# KiCad board ZX-Spectrum-Keyboard.kicad_pcb
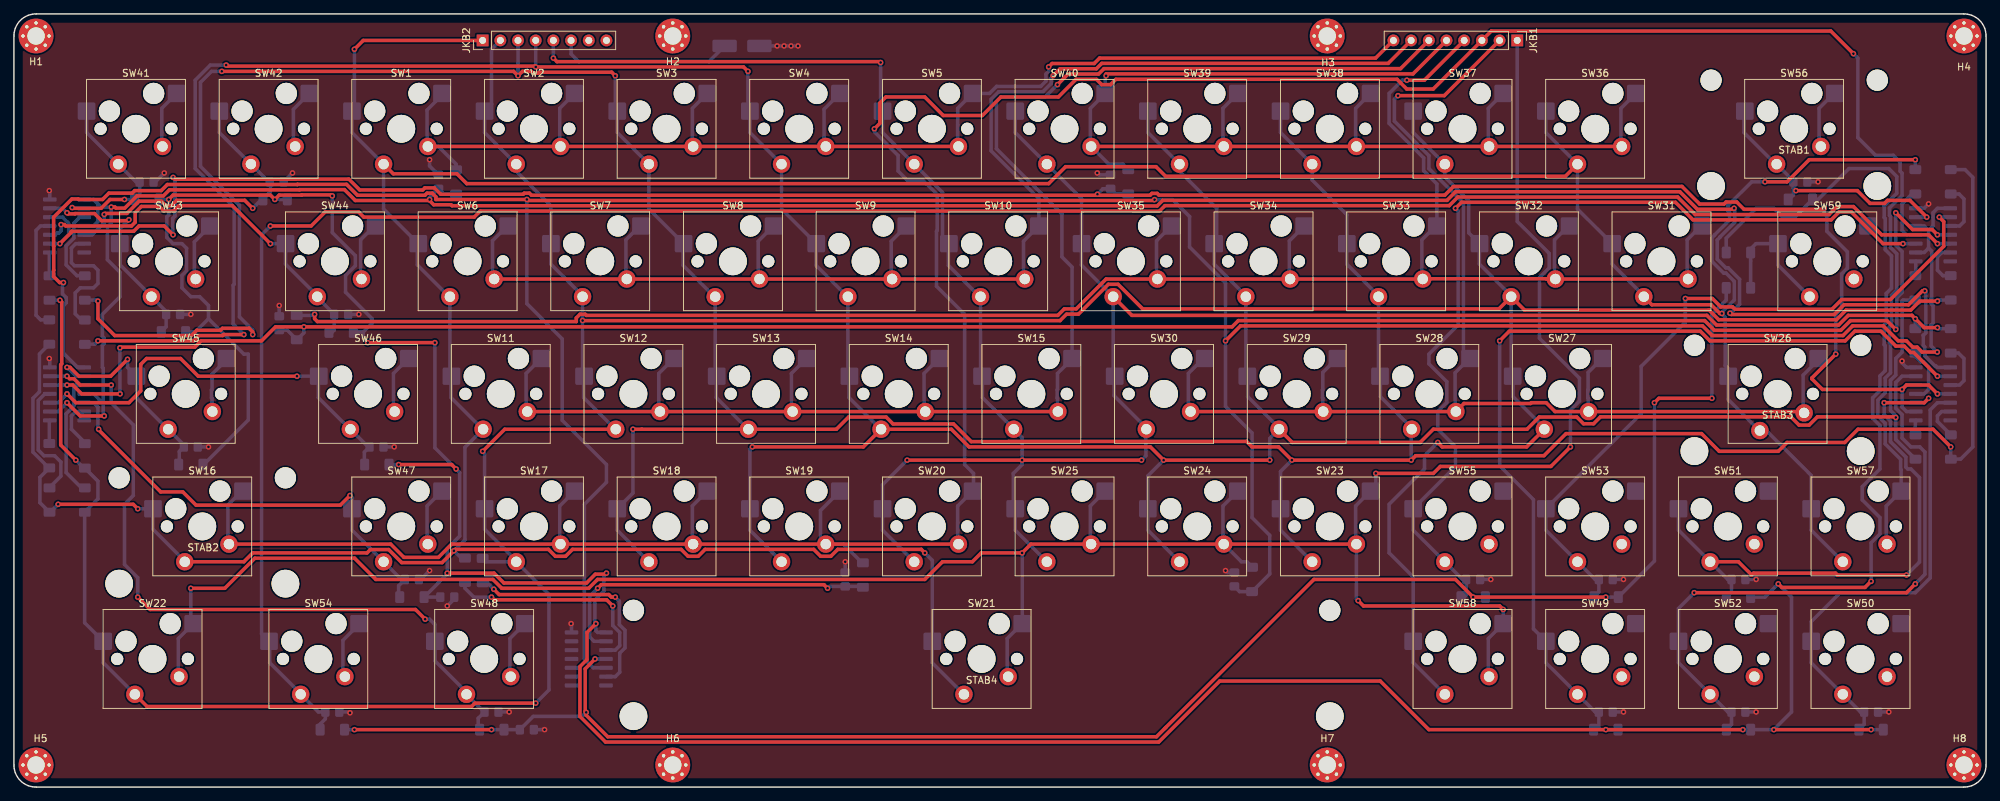
[diagram p0: board, top side]
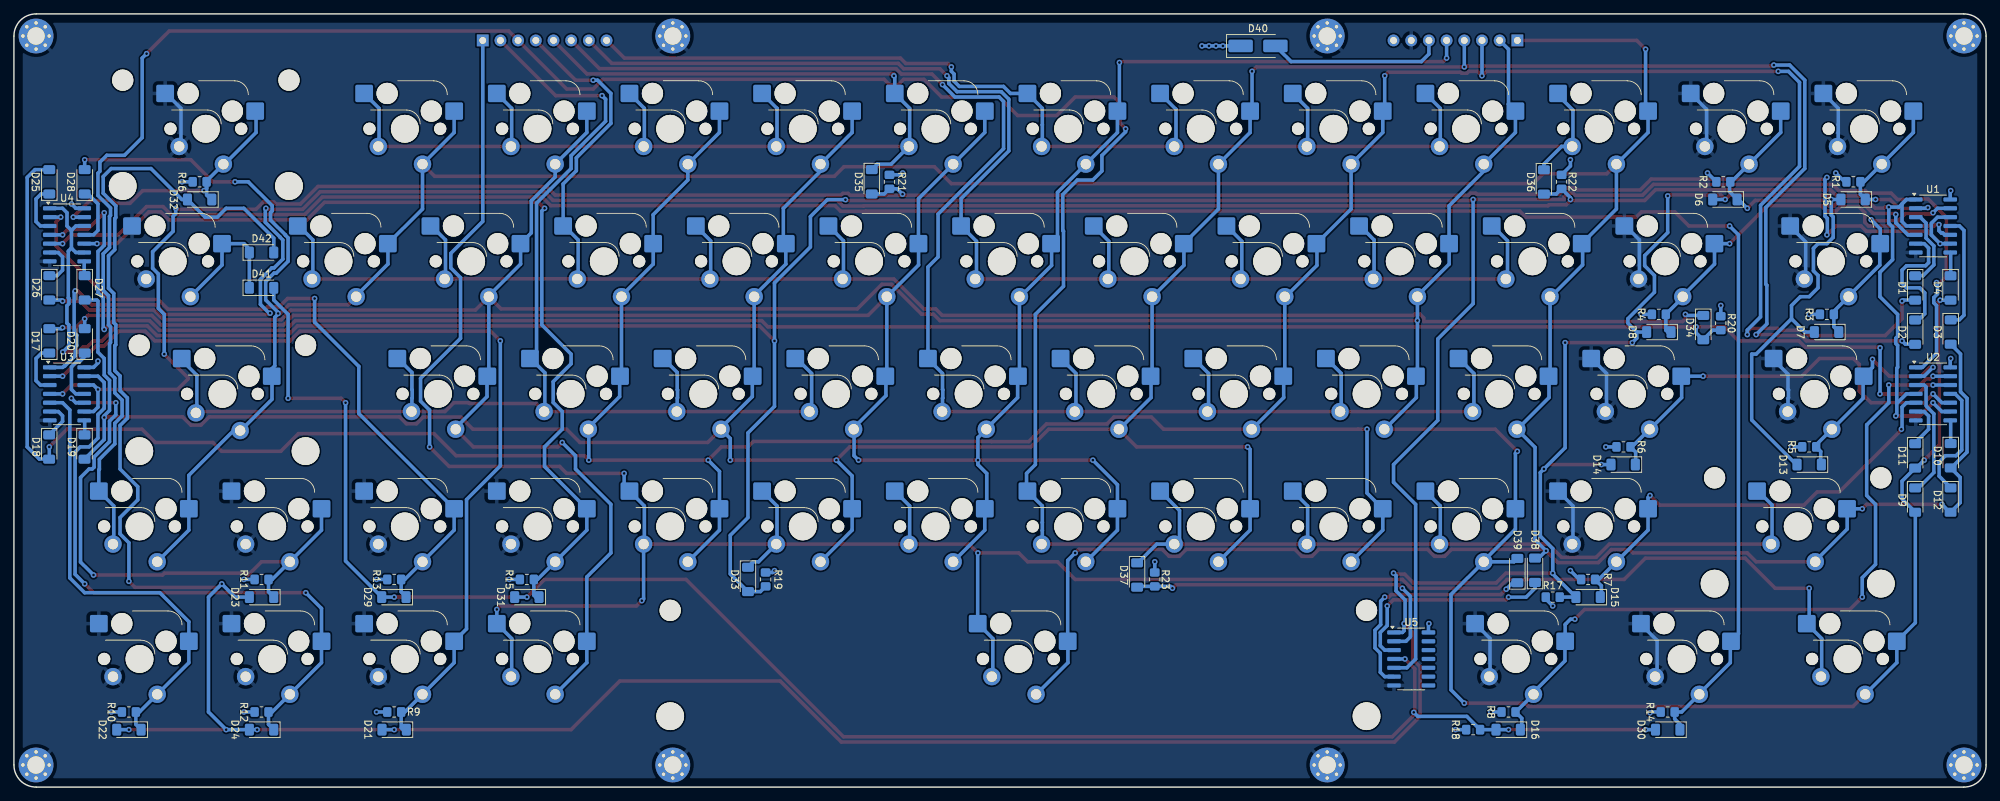
[diagram p1: board, bottom side, seen from below]

Outline 283.21 x 111.12 mm; copper layers: Top, Bottom. Coordinates in mm from the lower left corner of the outline.
Outline path: 0,107.95 arc(0.93,110.2) 3.18,111.12 280.04,111.12 arc(282.28,110.2) 283.21,107.95 283.21,3.18 arc(282.28,0.93) 280.04,0 3.18,0 arc(0.93,0.93) 0,3.18 0,107.95
Stack: Top 0.035mm / dielectric 1.51mm FR4 er 4.5 / Bottom 0.035mm

## Placement (name value [footprint] x y rotation side)
D1  1N4148  [D_MiniMELF]  10.18 71.73 270 bottom
D2  1N4148  [D_MiniMELF]  10.18 65.38 270 bottom
D3  1N4148  [D_MiniMELF]  5.08 65.41 270 bottom
D4  1N4148  [D_MiniMELF]  5.1 71.73 270 bottom
D5  1N4148  [D_MiniMELF]  19.09 84.46 0 bottom
D6  1N4148  [D_MiniMELF]  37.51 84.46 0 bottom
D7  1N4148  [D_MiniMELF]  22.91 65.41 0 bottom
D8  1N4148  [D_MiniMELF]  46.99 65.41 0 bottom
D9  1N4148  [D_MiniMELF]  10.18 41.25 270 bottom
D10  1N4148  [D_MiniMELF]  5.08 47.62 270 bottom
D11  1N4148  [D_MiniMELF]  10.18 47.6 270 bottom
D12  1N4148  [D_MiniMELF]  5.1 41.25 270 bottom
D13  1N4148  [D_MiniMELF]  25.4 46.36 0 bottom
D14  1N4148  [D_MiniMELF]  52.12 46.36 0 bottom
D15  1N4148  [D_MiniMELF]  57.15 27.31 0 bottom
D16  1N4148  [D_MiniMELF]  68.62 8.25 0 bottom
D17  1N4148  [D_MiniMELF]  278.13 64.14 90 bottom
D18  1N4148  [D_MiniMELF]  278.15 48.87 270 bottom
D19  1N4148  [D_MiniMELF]  273.07 48.87 270 bottom
D20  1N4148  [D_MiniMELF]  273.05 64.14 90 bottom
D21  1N4148  [D_MiniMELF]  228.6 8.25 0 bottom
D22  1N4148  [D_MiniMELF]  266.7 8.25 0 bottom
D23  1N4148  [D_MiniMELF]  247.65 27.31 0 bottom
D24  1N4148  [D_MiniMELF]  247.65 8.25 0 bottom
D25  1N4148  [D_MiniMELF]  278.13 87 90 bottom
D26  1N4148  [D_MiniMELF]  278.13 71.76 270 bottom
D27  1N4148  [D_MiniMELF]  273.05 71.76 270 bottom
D28  1N4148  [D_MiniMELF]  273.05 87 90 bottom
D29  1N4148  [D_MiniMELF]  228.64 27.31 0 bottom
D30  1N4148  [D_MiniMELF]  45.72 8.25 0 bottom
D31  1N4148  [D_MiniMELF]  209.55 27.31 0 bottom
D32  1N4148  [D_MiniMELF]  256.54 84.46 0 bottom
D33  1N4148  [D_MiniMELF]  177.8 29.84 270 bottom
D34  1N4148  [D_MiniMELF]  40.61 66.04 270 bottom
D35  1N4148  [D_MiniMELF]  160.02 87 270 bottom
D36  1N4148  [D_MiniMELF]  63.5 86.97 270 bottom
D37  1N4148  [D_MiniMELF]  121.92 30.48 270 bottom
D38  1N4148  [D_MiniMELF]  64.77 31.16 90 bottom
D39  1N4148  [D_MiniMELF]  67.31 31.12 90 bottom
D40  SS34  [D_SMA_Handsoldering]  104.56 106.53 180 bottom
D41  1N4148  [D_MiniMELF]  247.65 71.76 180 bottom
D42  1N4148  [D_MiniMELF]  247.65 76.84 180 bottom
H1  MountingHole_Pad  [MountingHole_2.5mm_Pad_Via]  3.18 107.95 0 top
H2  MountingHole_Pad  [MountingHole_2.5mm_Pad_Via]  94.62 107.95 0 top
H3  MountingHole_Pad  [MountingHole_2.5mm_Pad_Via]  188.59 107.95 0 top
H4  MountingHole_Pad  [MountingHole_2.5mm_Pad_Via]  280.04 107.95 0 top
H5  MountingHole_Pad  [MountingHole_2.5mm_Pad_Via]  3.18 3.18 0 top
H6  MountingHole_Pad  [MountingHole_2.5mm_Pad_Via]  94.62 3.18 0 top
H7  MountingHole_Pad  [MountingHole_2.5mm_Pad_Via]  188.59 3.18 0 top
H8  MountingHole_Pad  [MountingHole_2.5mm_Pad_Via]  280.04 3.18 0 top
JKB1  KA  [PinHeader_1x08_P2.54mm_Vertical]  215.88 107.31 270 top
JKB2  KD  [PinHeader_1x08_P2.54mm_Vertical]  67.31 107.31 90 top
R1  10kOm  [R_0805_2012Metric_Pad1.20x1.40mm_HandSolder]  19.05 87 180 bottom
R2  10kOm  [R_0805_2012Metric_Pad1.20x1.40mm_HandSolder]  37.73 87 180 bottom
R3  10kOm  [R_0805_2012Metric_Pad1.20x1.40mm_HandSolder]  22.86 67.95 180 bottom
R4  10kOm  [R_0805_2012Metric_Pad1.20x1.40mm_HandSolder]  46.99 67.95 180 bottom
R5  10kOm  [R_0805_2012Metric_Pad1.20x1.40mm_HandSolder]  25.4 48.9 180 bottom
R6  10kOm  [R_0805_2012Metric_Pad1.20x1.40mm_HandSolder]  52.07 48.9 180 bottom
R7  10kOm  [R_0805_2012Metric_Pad1.20x1.40mm_HandSolder]  57.15 29.84 180 bottom
R8  10kOm  [R_0805_2012Metric_Pad1.20x1.40mm_HandSolder]  68.58 10.8 180 bottom
R9  10kOm  [R_0805_2012Metric_Pad1.20x1.40mm_HandSolder]  228.6 10.8 180 bottom
R10  10kOm  [R_0805_2012Metric_Pad1.20x1.40mm_HandSolder]  266.7 10.8 180 bottom
R11  10kOm  [R_0805_2012Metric_Pad1.20x1.40mm_HandSolder]  247.65 29.84 180 bottom
R12  10kOm  [R_0805_2012Metric_Pad1.20x1.40mm_HandSolder]  247.65 10.8 180 bottom
R13  10kOm  [R_0805_2012Metric_Pad1.20x1.40mm_HandSolder]  228.6 29.84 180 bottom
R14  10kOm  [R_0805_2012Metric_Pad1.20x1.40mm_HandSolder]  45.72 10.8 180 bottom
R15  10kOm  [R_0805_2012Metric_Pad1.20x1.40mm_HandSolder]  209.55 29.84 180 bottom
R16  10kOm  [R_0805_2012Metric_Pad1.20x1.40mm_HandSolder]  256.54 87 180 bottom
R17  10kOm  [R_0805_2012Metric_Pad1.20x1.40mm_HandSolder]  62.23 27.31 180 bottom
R18  10kOm  [R_0805_2012Metric_Pad1.20x1.40mm_HandSolder]  73.66 8.25 180 bottom
R19  10kOm  [R_0805_2012Metric_Pad1.20x1.40mm_HandSolder]  175.26 29.84 90 bottom
R20  10kOm  [R_0805_2012Metric_Pad1.20x1.40mm_HandSolder]  38.1 66.68 90 bottom
R21  10kOm  [R_0805_2012Metric_Pad1.20x1.40mm_HandSolder]  157.48 87 90 bottom
R22  10kOm  [R_0805_2012Metric_Pad1.20x1.40mm_HandSolder]  60.96 87 90 bottom
R23  10kOm  [R_0805_2012Metric_Pad1.20x1.40mm_HandSolder]  119.38 29.84 90 bottom
STAB1  STAB_2.0u  [Stabilizer_Cherry_MX_2.00u]  255.65 94.62 0 top
STAB2  STAB_2.0u  [Stabilizer_Cherry_MX_2.00u]  27.05 37.47 0 top
STAB3  STAB_2.0u  [Stabilizer_Cherry_MX_2.00u]  253.27 56.51 0 top
STAB4  STAB_6.25u  [Stabilizer_Cherry_MX_6.25u]  138.97 18.42 0 top
SW1  SW_Push_45deg  [SW_Kailh_Cherry_MX_Universal_1.00u]  55.63 94.62 0 top
SW2  SW_Push_45deg  [SW_Kailh_Cherry_MX_Universal_1.00u]  74.68 94.62 0 top
SW3  SW_Push_45deg  [SW_Kailh_Cherry_MX_Universal_1.00u]  93.73 94.62 0 top
SW4  SW_Push_45deg  [SW_Kailh_Cherry_MX_Universal_1.00u]  112.77 94.62 0 top
SW5  SW_Push_45deg  [SW_Kailh_Cherry_MX_Universal_1.00u]  131.82 94.62 0 top
SW6  SW_Push_45deg  [SW_Kailh_Cherry_MX_Universal_1.00u]  65.15 75.56 0 top
SW7  SW_Push_45deg  [SW_Kailh_Cherry_MX_Universal_1.00u]  84.2 75.56 0 top
SW8  SW_Push_45deg  [SW_Kailh_Cherry_MX_Universal_1.00u]  103.25 75.56 0 top
SW9  SW_Push_45deg  [SW_Kailh_Cherry_MX_Universal_1.00u]  122.3 75.56 0 top
SW10  SW_Push_45deg  [SW_Kailh_Cherry_MX_Universal_1.00u]  141.35 75.56 0 top
SW11  SW_Push_45deg  [SW_Kailh_Cherry_MX_Universal_1.00u]  69.91 56.51 0 top
SW12  SW_Push_45deg  [SW_Kailh_Cherry_MX_Universal_1.00u]  88.96 56.51 0 top
SW13  SW_Push_45deg  [SW_Kailh_Cherry_MX_Universal_1.00u]  108.01 56.51 0 top
SW14  SW_Push_45deg  [SW_Kailh_Cherry_MX_Universal_1.00u]  127.06 56.51 0 top
SW15  SW_Push_45deg  [SW_Kailh_Cherry_MX_Universal_1.00u]  146.11 56.51 0 top
SW16  SW_Push_45deg  [SW_Kailh_Cherry_MX_Universal_2.00u]  27.05 37.47 0 top
SW17  SW_Push_45deg  [SW_Kailh_Cherry_MX_Universal_1.00u]  74.68 37.47 0 top
SW18  SW_Push_45deg  [SW_Kailh_Cherry_MX_Universal_1.00u]  93.73 37.47 0 top
SW19  SW_Push_45deg  [SW_Kailh_Cherry_MX_Universal_1.00u]  112.77 37.47 0 top
SW20  SW_Push_45deg  [SW_Kailh_Cherry_MX_Universal_1.00u]  131.82 37.47 0 top
SW21  SW_Push_45deg  [SW_Kailh_Cherry_MX_Universal_6.25u]  138.97 18.42 0 top
SW22  SW_Push_45deg  [SW_Kailh_Cherry_MX_Universal_1.25u]  19.91 18.42 0 top
SW23  SW_Push_45deg  [SW_Kailh_Cherry_MX_Universal_1.00u]  188.98 37.47 0 top
SW24  SW_Push_45deg  [SW_Kailh_Cherry_MX_Universal_1.00u]  169.93 37.47 0 top
SW25  SW_Push_45deg  [SW_Kailh_Cherry_MX_Universal_1.00u]  150.88 37.47 0 top
SW26  SW_Push_45deg  [SW_Kailh_Cherry_MX_Universal_2.25u]  253.27 56.51 0 top
SW27  SW_Push_45deg  [SW_Kailh_Cherry_MX_Universal_1.00u]  222.31 56.51 0 top
SW28  SW_Push_45deg  [SW_Kailh_Cherry_MX_Universal_1.00u]  203.26 56.51 0 top
SW29  SW_Push_45deg  [SW_Kailh_Cherry_MX_Universal_1.00u]  184.21 56.51 0 top
SW30  SW_Push_45deg  [SW_Kailh_Cherry_MX_Universal_1.00u]  165.16 56.51 0 top
SW31  SW_Push_45deg  [SW_Kailh_Cherry_MX_Universal_1.00u]  236.6 75.56 0 top
SW32  SW_Push_45deg  [SW_Kailh_Cherry_MX_Universal_1.00u]  217.55 75.56 0 top
SW33  SW_Push_45deg  [SW_Kailh_Cherry_MX_Universal_1.00u]  198.5 75.56 0 top
SW34  SW_Push_45deg  [SW_Kailh_Cherry_MX_Universal_1.00u]  179.45 75.56 0 top
SW35  SW_Push_45deg  [SW_Kailh_Cherry_MX_Universal_1.00u]  160.4 75.56 0 top
SW36  SW_Push_45deg  [SW_Kailh_Cherry_MX_Universal_1.00u]  227.08 94.62 0 top
SW37  SW_Push_45deg  [SW_Kailh_Cherry_MX_Universal_1.00u]  208.03 94.62 0 top
SW38  SW_Push_45deg  [SW_Kailh_Cherry_MX_Universal_1.00u]  188.98 94.62 0 top
SW39  SW_Push_45deg  [SW_Kailh_Cherry_MX_Universal_1.00u]  169.93 94.62 0 top
SW40  SW_Push_45deg  [SW_Kailh_Cherry_MX_Universal_1.00u]  150.88 94.62 0 top
SW41  SW_Push_45deg  [SW_Kailh_Cherry_MX_Universal_1.00u]  17.52 94.62 0 top
SW42  SW_Push_45deg  [SW_Kailh_Cherry_MX_Universal_1.00u]  36.58 94.62 0 top
SW43  SW_Push_45deg  [SW_Kailh_Cherry_MX_Universal_1.50u]  22.29 75.56 0 top
SW44  SW_Push_45deg  [SW_Kailh_Cherry_MX_Universal_1.00u]  46.1 75.56 0 top
SW45  SW_Push_45deg  [SW_Kailh_Cherry_MX_Universal_1.75u]  24.67 56.51 0 top
SW46  SW_Push_45deg  [SW_Kailh_Cherry_MX_Universal_1.00u]  50.86 56.51 0 top
SW47  SW_Push_45deg  [SW_Kailh_Cherry_MX_Universal_1.00u]  55.63 37.47 0 top
SW48  SW_Push_45deg  [SW_Kailh_Cherry_MX_Universal_1.25u]  67.53 18.42 0 top
SW49  SW_Push_45deg  [SW_Kailh_Cherry_MX_Universal_1.00u]  227.08 18.42 0 top
SW50  SW_Push_45deg  [SW_Kailh_Cherry_MX_Universal_1.00u]  265.18 18.42 0 top
SW51  SW_Push_45deg  [SW_Kailh_Cherry_MX_Universal_1.00u]  246.13 37.47 0 top
SW52  SW_Push_45deg  [SW_Kailh_Cherry_MX_Universal_1.00u]  246.13 18.42 0 top
SW53  SW_Push_45deg  [SW_Kailh_Cherry_MX_Universal_1.00u]  227.08 37.47 0 top
SW54  SW_Push_45deg  [SW_Kailh_Cherry_MX_Universal_1.25u]  43.72 18.42 0 top
SW55  SW_Push_45deg  [SW_Kailh_Cherry_MX_Universal_1.00u]  208.03 37.47 0 top
SW56  SW_Push_45deg  [SW_Kailh_Cherry_MX_Universal_2.00u]  255.65 94.62 0 top
SW57  SW_Push_45deg  [SW_Kailh_Cherry_MX_Universal_1.00u]  265.18 37.47 0 top
SW58  SW_Push_45deg  [SW_Kailh_Cherry_MX_Universal_1.00u]  208.03 18.42 0 top
SW59  SW_Push_45deg  [SW_Kailh_Cherry_MX_Universal_1.50u]  260.41 75.56 0 top
U1  74HC32  [SOIC-14_3.9x8.7mm_P1.27mm]  7.62 80.65 180 bottom
U2  74HC32  [SOIC-14_3.9x8.7mm_P1.27mm]  7.62 56.51 180 bottom
U3  74HC32  [SOIC-14_3.9x8.7mm_P1.27mm]  275.59 56.51 180 bottom
U4  74HC32  [SOIC-14_3.9x8.7mm_P1.27mm]  275.59 79.38 180 bottom
U5  74HC32  [SOIC-14_3.9x8.7mm_P1.27mm]  82.55 18.42 180 bottom

## Library data of the parts
D1-D42 = -: Description: Diode; Sim.Device: D; Sim.Pins: 1=K 2=A; ki_fp_filters: TO-???* *_Diode_* *SingleDiode* D_*
H1-H8 = -: Description: Mounting Hole with connection; ki_fp_filters: MountingHole*Pad*
JKB1 JKB2 = -: Description: Generic connector, single row, 01x08, script generated; ki_fp_filters: Connector*:*_1x??_*
R1-R23 = -: Description: Resistor; ki_fp_filters: R_*
STAB1-STAB4 = -: Description: Fiducial Marker; ki_fp_filters: Fiducial*
SW1 = -: Description: Push button switch, normally open, two pins, 45° tilted; Name: "1"
SW2 = -: Description: Push button switch, normally open, two pins, 45° tilted; Name: "2"
SW3 = -: Description: Push button switch, normally open, two pins, 45° tilted; Name: "3"
SW4 = -: Description: Push button switch, normally open, two pins, 45° tilted; Name: "4"
SW5 = -: Description: Push button switch, normally open, two pins, 45° tilted; Name: "5"
SW6 = -: Description: Push button switch, normally open, two pins, 45° tilted; Name: "Q"
SW7 = -: Description: Push button switch, normally open, two pins, 45° tilted; Name: "W"
SW8 = -: Description: Push button switch, normally open, two pins, 45° tilted; Name: "E"
SW9 = -: Description: Push button switch, normally open, two pins, 45° tilted; Name: "R"
SW10 = -: Description: Push button switch, normally open, two pins, 45° tilted; Name: "T"
SW11 = -: Description: Push button switch, normally open, two pins, 45° tilted; Name: "A"
SW12 = -: Description: Push button switch, normally open, two pins, 45° tilted; Name: "S"
SW13 = -: Description: Push button switch, normally open, two pins, 45° tilted; Name: "D"
SW14 = -: Description: Push button switch, normally open, two pins, 45° tilted; Name: "F"
SW15 = -: Description: Push button switch, normally open, two pins, 45° tilted; Name: "G"
SW16 SW57 = -: Description: Push button switch, normally open, two pins, 45° tilted; Name: "CS"
SW17 = -: Description: Push button switch, normally open, two pins, 45° tilted; Name: "Z"
SW18 = -: Description: Push button switch, normally open, two pins, 45° tilted; Name: "X"
SW19 = -: Description: Push button switch, normally open, two pins, 45° tilted; Name: "C"
SW20 = -: Description: Push button switch, normally open, two pins, 45° tilted; Name: "V"
SW21 = -: Description: Push button switch, normally open, two pins, 45° tilted; Name: "SP"
SW22 SW58 = -: Description: Push button switch, normally open, two pins, 45° tilted; Name: "SS"
SW23 = -: Description: Push button switch, normally open, two pins, 45° tilted; Name: "M"
SW24 = -: Description: Push button switch, normally open, two pins, 45° tilted; Name: "N"
SW25 = -: Description: Push button switch, normally open, two pins, 45° tilted; Name: "B"
SW26 = -: Description: Push button switch, normally open, two pins, 45° tilted; Name: "EN"
SW27 = -: Description: Push button switch, normally open, two pins, 45° tilted; Name: "L"
SW28 = -: Description: Push button switch, normally open, two pins, 45° tilted; Name: "K"
SW29 = -: Description: Push button switch, normally open, two pins, 45° tilted; Name: "J"
SW30 = -: Description: Push button switch, normally open, two pins, 45° tilted; Name: "H"
SW31 = -: Description: Push button switch, normally open, two pins, 45° tilted; Name: "P"
SW32 = -: Description: Push button switch, normally open, two pins, 45° tilted; Name: "O"
SW33 = -: Description: Push button switch, normally open, two pins, 45° tilted; Name: "I"
SW34 = -: Description: Push button switch, normally open, two pins, 45° tilted; Name: "U"
SW35 = -: Description: Push button switch, normally open, two pins, 45° tilted; Name: "Y"
SW36 = -: Description: Push button switch, normally open, two pins, 45° tilted; Name: "0"
SW37 = -: Description: Push button switch, normally open, two pins, 45° tilted; Name: "9"
SW38 = -: Description: Push button switch, normally open, two pins, 45° tilted; Name: "8"
SW39 = -: Description: Push button switch, normally open, two pins, 45° tilted; Name: "7"
SW40 = -: Description: Push button switch, normally open, two pins, 45° tilted; Name: "6"
SW41 = -: Description: Push button switch, normally open, two pins, 45° tilted; Name: "TRUE_V"
SW42 = -: Description: Push button switch, normally open, two pins, 45° tilted; Name: "INV_V"
SW43 = -: Description: Push button switch, normally open, two pins, 45° tilted; Name: "DEL"
SW44 = -: Description: Push button switch, normally open, two pins, 45° tilted; Name: "GRAPH"
SW45 = -: Description: Push button switch, normally open, two pins, 45° tilted; Name: "EXTEND MODE"
SW46 = -: Description: Push button switch, normally open, two pins, 45° tilted; Name: "EDIT"
SW47 = -: Description: Push button switch, normally open, two pins, 45° tilted; Name: "CS_LOCK"
SW48 = -: Description: Push button switch, normally open, two pins, 45° tilted; Name: """
SW49 = -: Description: Push button switch, normally open, two pins, 45° tilted; Name: "LA"
SW50 = -: Description: Push button switch, normally open, two pins, 45° tilted; Name: "RA"
SW51 = -: Description: Push button switch, normally open, two pins, 45° tilted; Name: "UA"
SW52 = -: Description: Push button switch, normally open, two pins, 45° tilted; Name: "DA"
SW53 = -: Description: Push button switch, normally open, two pins, 45° tilted; Name: "."
SW54 = -: Description: Push button switch, normally open, two pins, 45° tilted; Name: ";"
SW55 = -: Description: Push button switch, normally open, two pins, 45° tilted; Name: ","
SW56 = -: Description: Push button switch, normally open, two pins, 45° tilted; Name: "BREACK"
SW59 = -: Description: Push button switch, normally open, two pins, 45° tilted; Name: "E CUR"
U1-U5 = -: Datasheet: https://www.ti.com/lit/ug/scyd013b/scyd013b.pdf; Description: Quadruple 2-Input Positive-OR Gates; ki_fp_filters: *DIP*14*W7.62mm* *SO*14*

## Footprints (pads in the part's own frame, mm; a bottom-side part is the same pattern mirrored in y, then rotated)
D_MiniMELF
  rrect 1.3x1.7 smd: 1(-1.75,0) 2(1.75,0)
D_SMA_Handsoldering
  rrect 3.5x1.8 smd: 1(-2.5,0) 2(2.5,0)
MountingHole_2.5mm_Pad_Via
  round 0.8 hole 0.5: 1(-1.875,0) 1(-1.326,1.326) 1(-1.326,-1.326) 1(0,1.875) 1(0,-1.875) 1(1.326,1.326) 1(1.326,-1.326) 1(1.875,0)
  round 5 hole 2.5: 1(0,0)
PinHeader_1x08_P2.54mm_Vertical
  rect 1.7x1.7 hole 1: 1(0,0)
  oval 1.7x1.7 hole 1: 2(0,-2.54) 3(0,-5.08) 4(0,-7.62) 5(0,-10.16) 6(0,-12.7) 7(0,-15.24) 8(0,-17.78)
R_0805_2012Metric_Pad1.20x1.40mm_HandSolder
  rrect 1.2x1.4 smd: 1(-1,0) 2(1,0)
SOIC-14_3.9x8.7mm_P1.27mm
  rrect 1.95x0.6 smd: 1(-2.475,3.81) 2(-2.475,2.54) 3(-2.475,1.27) 4(-2.475,0) 5(-2.475,-1.27) 6(-2.475,-2.54) 7(-2.475,-3.81) 8(2.475,-3.81) 9(2.475,-2.54) 10(2.475,-1.27) 11(2.475,0) 12(2.475,1.27) 13(2.475,2.54) 14(2.475,3.81)
Stabilizer_Cherry_MX_2.00u
  round 3.048 hole 3.048 unplated: (-11.938,6.985) (11.938,6.985)
  round 3.988 hole 3.988 unplated: (-11.938,-8.225) (11.938,-8.225)
Stabilizer_Cherry_MX_6.25u
  round 3.048 hole 3.048 unplated: (-50,6.985) (50,6.985)
  round 3.988 hole 3.988 unplated: (-50,-8.225) (50,-8.225)
SW_Kailh_Cherry_MX_Universal_1.00u
  round 1.75 hole 1.75 unplated: (-5.08,0) (5.08,0)
  round 3.05 hole 3.05 unplated: (-3.81,2.54) (2.54,5.08)
  round 4 hole 4 unplated: (0,0)
  rrect 2.55x2.5 smd far side: 1(-7.085,2.54) 2(5.842,5.08)
  round 2.5 hole 1.5: 1(-2.54,-5.08) 2(3.81,-2.54)
SW_Kailh_Cherry_MX_Universal_1.25u
  round 1.75 hole 1.75 unplated: (-5.08,0) (5.08,0)
  round 3.05 hole 3.05 unplated: (-3.81,2.54) (2.54,5.08)
  round 4 hole 4 unplated: (0,0)
  rrect 2.55x2.5 smd far side: 1(-7.085,2.54) 2(5.842,5.08)
  round 2.5 hole 1.5: 1(-2.54,-5.08) 2(3.81,-2.54)
SW_Kailh_Cherry_MX_Universal_1.50u
  round 1.75 hole 1.75 unplated: (-5.08,0) (5.08,0)
  round 3.05 hole 3.05 unplated: (-3.81,2.54) (2.54,5.08)
  round 4 hole 4 unplated: (0,0)
  rrect 2.55x2.5 smd far side: 1(-7.085,2.54) 2(5.842,5.08)
  round 2.5 hole 1.5: 1(-2.54,-5.08) 2(3.81,-2.54)
SW_Kailh_Cherry_MX_Universal_1.75u
  round 1.75 hole 1.75 unplated: (-5.08,0) (5.08,0)
  round 3.05 hole 3.05 unplated: (-3.81,2.54) (2.54,5.08)
  round 4 hole 4 unplated: (0,0)
  rrect 2.55x2.5 smd far side: 1(-7.085,2.54) 2(5.842,5.08)
  round 2.5 hole 1.5: 1(-2.52,-5.08) 2(3.83,-2.54)
SW_Kailh_Cherry_MX_Universal_2.00u
  round 1.75 hole 1.75 unplated: (-5.08,0) (5.08,0)
  round 3.05 hole 3.05 unplated: (-3.81,2.54) (2.54,5.08)
  round 4 hole 4 unplated: (0,0)
  rrect 2.55x2.5 smd far side: 1(-7.085,2.54) 2(5.842,5.08)
  round 2.5 hole 1.5: 1(-2.52,-5.08) 2(3.83,-2.54)
SW_Kailh_Cherry_MX_Universal_2.25u
  round 1.75 hole 1.75 unplated: (-5.08,0) (5.08,0)
  round 3.05 hole 3.05 unplated: (-3.81,2.54) (2.54,5.08)
  round 4 hole 4 unplated: (0,0)
  rrect 2.55x2.5 smd far side: 1(-7.085,2.54) 2(5.842,5.08)
  round 2.5 hole 1.5: 1(-2.54,-5.272) 2(3.81,-2.732)
SW_Kailh_Cherry_MX_Universal_6.25u
  round 1.75 hole 1.75 unplated: (-5.08,0) (5.08,0)
  round 3.05 hole 3.05 unplated: (-3.81,2.54) (2.54,5.08)
  round 4 hole 4 unplated: (0,0)
  rrect 2.55x2.5 smd far side: 1(-7.085,2.54) 2(5.842,5.08)
  round 2.5 hole 1.5: 1(-2.54,-5.08) 2(3.81,-2.54)

## Nets
GND: H1.1 H2.1 H3.1 H4.1 H5.1 H6.1 H7.1 H8.1 JKB2.7 SW41.2 SW42.2 SW43.2 SW44.2 SW45.2 SW46.2 SW47.2 SW48.2 SW49.2 SW50.2 SW51.2 SW52.2 SW53.2 SW54.2 SW55.2 SW56.2 SW59.2 U1.7 U2.7 U3.7 U4.7 U5.7
VCC: D40.1 R1.1 R2.1 R3.1 R4.1 R5.1 R6.1 R7.1 R8.1 R9.1 R10.1 R11.1 R12.1 R13.1 R14.1 R15.1 R16.1 R17.1 R18.1 R19.2 R20.2 R21.2 R22.2 R23.2 U1.14 U2.14 U3.14 U4.14 U5.14
CS0: D5.2 D6.2 D7.2 D8.2 D13.2 D14.2 D15.2 D21.2 D22.2 D23.2 D24.2 D32.2 D42.2 R17.2 U5.1
KA8: D37.1 JKB1.3 SW16.2 SW17.2 SW18.2 SW19.2 SW20.2 SW57.2
KA9: JKB1.6 SW11.2 SW12.2 SW13.2 SW14.2 SW15.2
KA10: JKB1.7 SW6.2 SW7.2 SW8.2 SW9.2 SW10.2
KA11: D36.1 JKB1.8 SW1.2 SW2.2 SW3.2 SW4.2 SW5.2
KA12: D35.1 JKB1.5 SW36.2 SW37.2 SW38.2 SW39.2 SW40.2
KA13: D34.1 JKB1.4 SW31.2 SW32.2 SW33.2 SW34.2 SW35.2
KA14: JKB1.2 SW26.2 SW27.2 SW28.2 SW29.2 SW30.2
KA15: D33.1 JKB1.1 SW21.2 SW22.2 SW23.2 SW24.2 SW25.2 SW58.2
KAR8: D37.2 R23.1 U5.2
KAR11: D36.2 R22.1 U1.1 U1.4 U2.4 U2.9 U3.1
KAR12: D35.2 R21.1 U1.9 U1.12 U3.4 U3.9 U3.12
KAR13: D34.2 R20.1 U2.12 U4.4
KAR15: D33.2 R19.1 U2.1 U4.1 U4.9 U4.12 U5.5
KD0: D3.2 D10.2 D12.2 D28.2 D38.2 JKB2.1 SW1.1 SW6.1 SW11.1 SW16.1 SW21.1 SW26.1 SW31.1 SW36.1 SW57.1
KD1: D4.2 D9.2 D11.2 D26.2 D39.2 JKB2.2 SW2.1 SW7.1 SW12.1 SW17.1 SW22.1 SW27.1 SW32.1 SW37.1 SW58.1
KD2: D1.2 D18.2 D25.2 JKB2.3 SW3.1 SW8.1 SW13.1 SW18.1 SW23.1 SW28.1 SW33.1 SW38.1
KD3: D2.2 D19.2 D27.2 JKB2.4 SW4.1 SW9.1 SW14.1 SW19.1 SW24.1 SW29.1 SW34.1 SW39.1
KD4: D17.2 D20.2 JKB2.5 SW5.1 SW10.1 SW15.1 SW20.1 SW25.1 SW30.1 SW35.1 SW40.1
SS0: D16.2 D29.2 D30.2 D31.2 D41.2 R18.2 U5.4
Net-(D1-K): D1.1 U1.3
Net-(D2-K): D2.1 U1.6
Net-(D3-K): D3.1 U1.11
Net-(D4-K): D4.1 U1.8
Net-(D5-K): D5.1 R1.2 SW41.1 U1.2
Net-(D6-K): D6.1 R2.2 SW42.1 U1.5
Net-(D7-K): D7.1 R3.2 SW43.1 U1.13
Net-(D8-K): D8.1 R4.2 SW44.1 U1.10
Net-(D9-K): D9.1 U2.3
Net-(D10-K): D10.1 U2.8
Net-(D11-K): D11.1 U2.6
Net-(D12-K): D12.1 U2.11
Net-(D13-K): D13.1 R5.2 SW45.1 U2.2
Net-(D14-K): D14.1 R6.2 SW46.1 U2.10
Net-(D15-K): D15.1 R7.2 SW47.1 U2.5
Net-(D16-K): D16.1 R8.2 SW48.1 U2.13
Net-(D17-K): D17.1 U3.3
Net-(D18-K): D18.1 U3.6
Net-(D19-K): D19.1 U3.8
Net-(D20-K): D20.1 U3.11
Net-(D21-K): D21.1 R9.2 SW49.1 U3.2
Net-(D22-K): D22.1 R10.2 SW50.1 U3.5
Net-(D23-K): D23.1 R11.2 SW51.1 U3.10
Net-(D24-K): D24.1 R12.2 SW52.1 U3.13
Net-(D25-K): D25.1 U4.3
Net-(D26-K): D26.1 U4.6
Net-(D27-K): D27.1 U4.8
Net-(D28-K): D28.1 U4.11
Net-(D29-K): D29.1 R13.2 SW53.1 U4.2
Net-(D30-K): D30.1 R14.2 SW54.1 U4.5
Net-(D31-K): D31.1 R15.2 SW55.1 U4.10
Net-(D32-K): D32.1 R16.2 SW56.1 U4.13
Net-(D38-K): D38.1 U5.3
Net-(D39-K): D39.1 U5.6
Net-(D40-A): D40.2 JKB2.6
Net-(D41-K): D41.1 D42.1 SW59.1